# Altium PCB Main_PCB.PcbDoc (part 5 of 13) (continued)
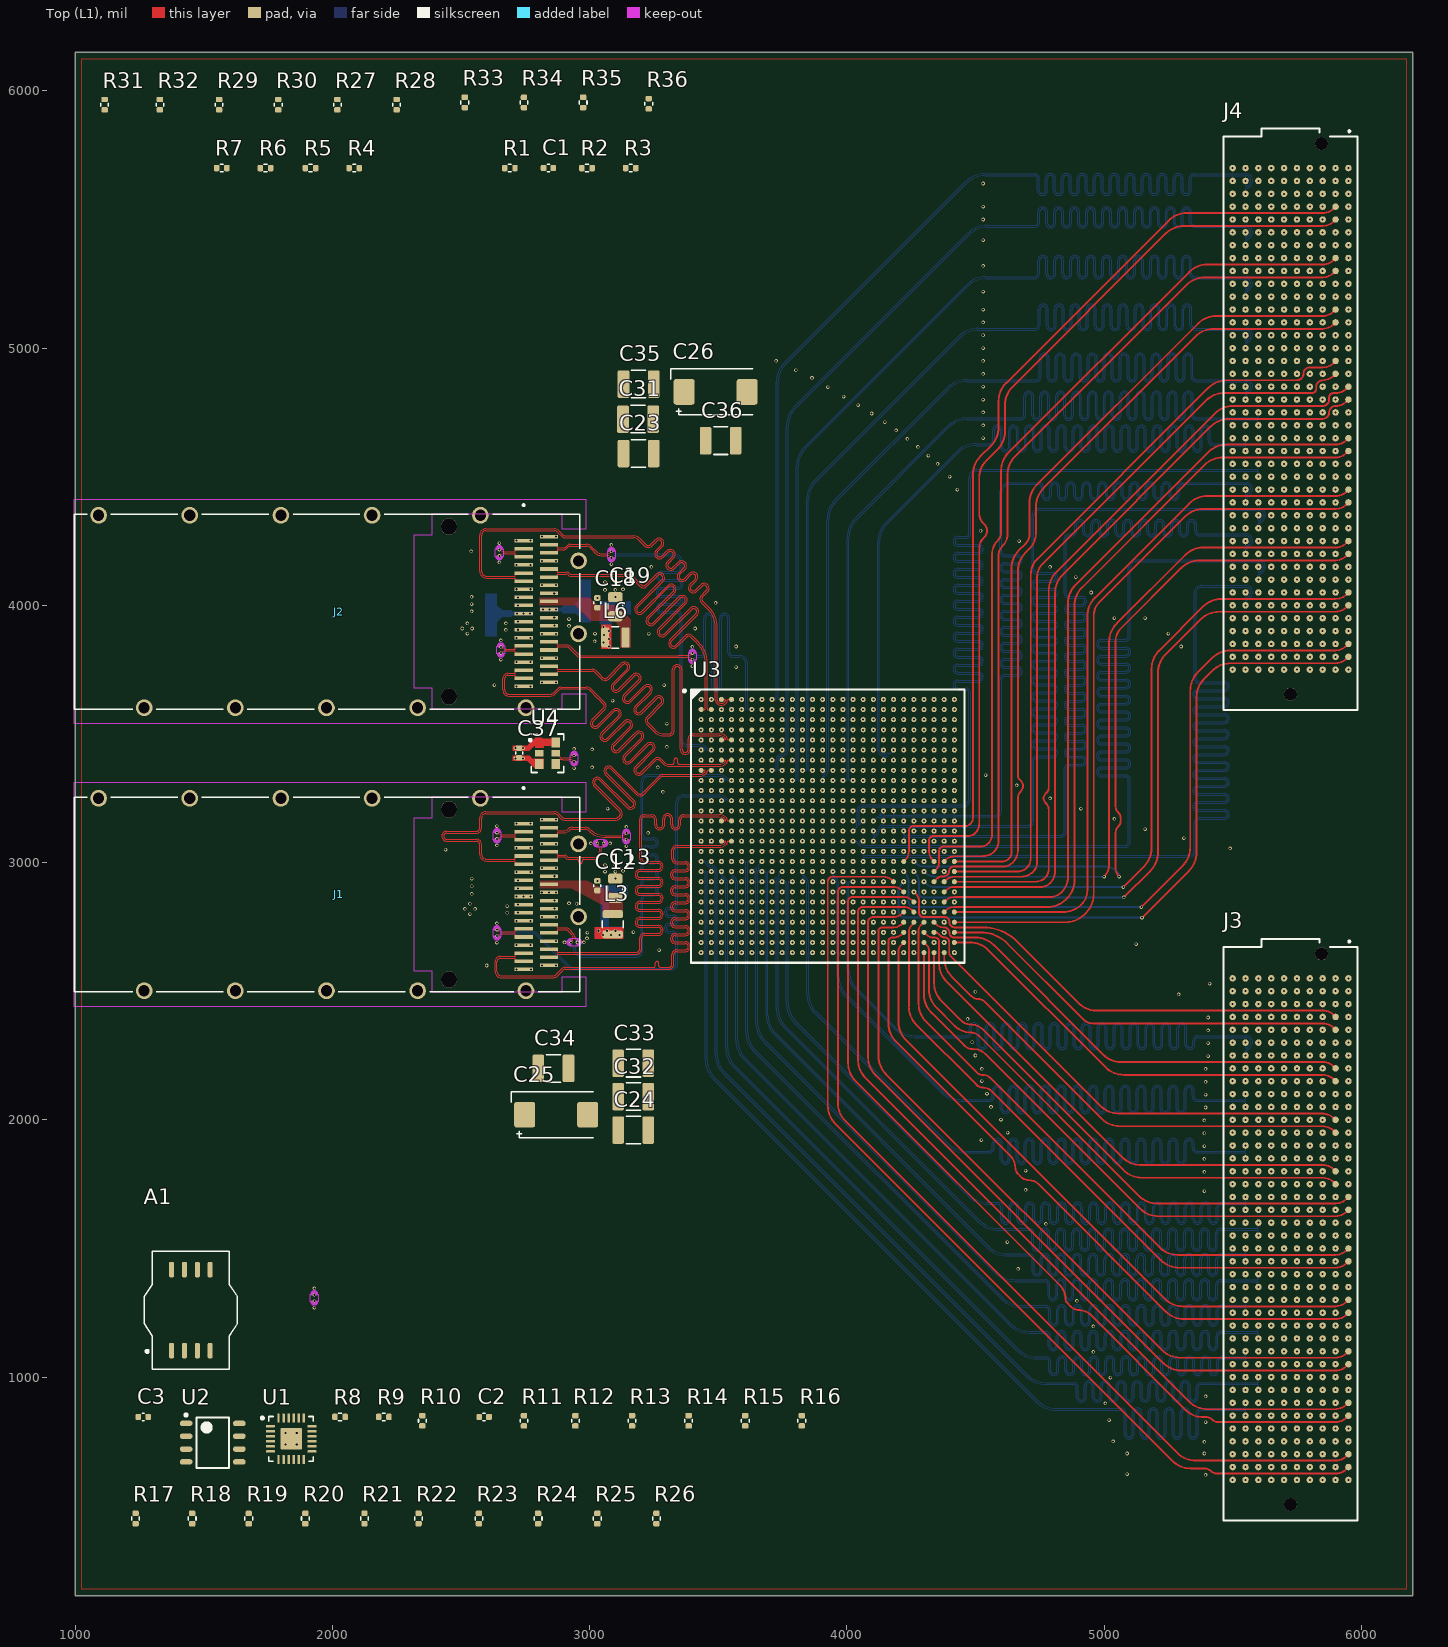
[diagram p0: Top (L1) view]
## Nets (pads, with @x,y where several pads share a name; then routed paths per layer and width w, separated by ;. In a path a pad name is that pad's centre, name@x,y a point inside that pad or via, vN(x,y) a via of type N, cw(c..) or ccw(c..) an arc to the next point about the centre after c; other vN are vias at no path point) (continued)
HPCC_A_47_P: J3.G14 U3.Y15 | length 3515.7
  Int9 (L10) w3.5: v1(3985.04,2886.22) 3997.47,2886.22 cw(c3997.47,2882.72) 3999.95,2885.2 cw(c3997.47,2882.72) 4000.97,2882.72 4000.97,2628.64 4001.2,2622.92 cw(c3997.7,2622.78) 4001.2,2622.78 4001.2,2516.42 ccw(c4110,2516.42) 4033.07,2439.49 4520.69,1951.87 ccw(c4597.62,2028.8) 4597.62,1920 4631.28,1920 4669.73,1920 cw(c4669.73,1908.25) 4681.48,1908.25 4681.48,1876.47 ccw(c4702.03,1876.47) 4722.58,1876.47 4722.58,1909.75 cw(c4734.33,1909.75) 4746.08,1909.75 4746.08,1876.47 ccw(c4766.63,1876.47) 4787.18,1876.47 4787.18,1909.75 cw(c4798.93,1909.75) 4810.68,1909.75 4810.68,1876.47 ccw(c4831.23,1876.47) 4851.78,1876.47 4851.78,1909.75 cw(c4863.53,1909.75) 4875.28,1909.75 4875.28,1876.47 ccw(c4895.83,1876.47) 4916.38,1876.47 4916.38,1909.75 cw(c4928.13,1909.75) 4939.88,1909.75 4939.88,1876.47 ccw(c4960.43,1876.47) 4980.98,1876.47 4980.98,1909.75 cw(c4992.73,1909.75) 5004.48,1909.75 5004.48,1876.47 ccw(c5025.03,1876.47) 5045.58,1876.47 5045.58,1909.75 cw(c5057.33,1909.75) 5069.08,1909.75 5069.08,1876.47 ccw(c5089.63,1876.47) 5110.18,1876.47 5110.18,1909.75 cw(c5121.93,1909.75) 5133.68,1909.75 5133.68,1876.47 ccw(c5154.23,1876.47) 5174.78,1876.47 5174.78,1909.75 cw(c5186.53,1909.75) 5198.28,1909.75 5198.28,1876.47 ccw(c5218.83,1876.47) 5239.38,1876.47 5239.38,1909.75 cw(c5251.13,1909.75) 5262.88,1909.75 5262.88,1876.47 ccw(c5283.43,1876.47) 5303.98,1876.47 5303.98,1909.75 cw(c5315.73,1909.75) 5327.48,1909.75 5327.48,1876.47 ccw(c5348.03,1876.47) 5368.58,1876.47 5368.58,1908.25 cw(c5380.33,1908.25) 5380.33,1920 5410,1920 5652.93,1920 cw(c5652.93,1902.93) 5665,1915 5666.39,1913.61 cw(c5654.78,1902) 5671.2,1902 cw(c5655.87,1902) 5666.71,1891.16 5655.97,1880.43 ; v1(5650,1900) 5650,1882.9 ccw(c5653.5,1882.9) 5651.03,1880.43 ccw(c5653.5,1882.9) 5653.5,1879.4 ccw(c5653.5,1882.9) 5655.97,1880.42
HPCC_A_48_N: J3.G19 U3.AA12 | length 3519.8
  Int9 (L10) w3.5: v1(3866.93,2846.85) 3879.36,2846.85 cw(c3879.36,2843.35) 3881.84,2845.83 cw(c3879.36,2843.35) 3882.86,2843.35 3882.86,2509.76 ccw(c3991.66,2509.76) 3914.73,2432.82 4645.09,1702.47 ccw(c4722.02,1779.4) 4722.02,1670.6 4760.47,1670.6 4798.92,1670.6 cw(c4798.92,1658.85) 4810.67,1658.85 4810.67,1621.91 ccw(c4831.22,1621.91) 4851.77,1621.91 4851.77,1660.15 cw(c4863.52,1660.15) 4875.27,1660.15 4875.27,1621.91 ccw(c4895.82,1621.91) 4916.37,1621.91 4916.37,1660.15 cw(c4928.12,1660.15) 4939.87,1660.15 4939.87,1621.91 ccw(c4960.42,1621.91) 4980.97,1621.91 4980.97,1660.15 cw(c4992.72,1660.15) 5004.47,1660.15 5004.47,1621.91 ccw(c5025.02,1621.91) 5045.57,1621.91 5045.57,1660.15 cw(c5057.32,1660.15) 5069.07,1660.15 5069.07,1621.91 ccw(c5089.62,1621.91) 5110.17,1621.91 5110.17,1660.15 cw(c5121.92,1660.15) 5133.67,1660.15 5133.67,1621.91 ccw(c5154.22,1621.91) 5174.77,1621.91 5174.77,1660.15 cw(c5186.52,1660.15) 5198.27,1660.15 5198.27,1621.91 ccw(c5218.82,1621.91) 5239.37,1621.91 5239.37,1660.15 cw(c5251.12,1660.15) 5262.87,1660.15 5262.87,1621.91 ccw(c5283.42,1621.91) 5303.97,1621.91 5303.97,1660.15 cw(c5315.72,1660.15) 5327.47,1660.15 5327.47,1621.91 ccw(c5348.02,1621.91) 5368.57,1621.91 5368.57,1658.85 cw(c5380.32,1658.85) 5380.32,1670.6 5422,1670.6 5646.5,1670.6 cw(c5646.5,1667.1) 5648.97,1669.57 cw(c5646.5,1667.1) 5650,1667.1 v1(5650,1650)
HPCC_A_48_P: J3.G18 U3.AA13 | length 3506.4
  Int9 (L10) w3.5: v1(3906.3,2846.85) 3893.86,2846.85 ccw(c3893.86,2843.35) 3891.39,2845.83 ccw(c3893.86,2843.35) 3890.36,2843.35 3890.36,2625 cw(c3887.23,2621.86) 3891.66,2621.86 3891.66,2509.76 ccw(c3991.66,2509.76) 3920.95,2439.05 4651.31,1708.69 ccw(c4722.02,1779.4) 4722.02,1679.4 4760.47,1679.4 4798.92,1679.4 cw(c4798.92,1658.85) 4819.47,1658.85 4819.47,1621.91 ccw(c4831.22,1621.91) 4842.97,1621.91 4842.97,1660.15 cw(c4863.52,1660.15) 4884.07,1660.15 4884.07,1621.91 ccw(c4895.82,1621.91) 4907.57,1621.91 4907.57,1660.15 cw(c4928.12,1660.15) 4948.67,1660.15 4948.67,1621.91 ccw(c4960.42,1621.91) 4972.17,1621.91 4972.17,1660.15 cw(c4992.72,1660.15) 5013.27,1660.15 5013.27,1621.91 ccw(c5025.02,1621.91) 5036.77,1621.91 5036.77,1660.15 cw(c5057.32,1660.15) 5077.87,1660.15 5077.87,1621.91 ccw(c5089.62,1621.91) 5101.37,1621.91 5101.37,1660.15 cw(c5121.92,1660.15) 5142.47,1660.15 5142.47,1621.91 ccw(c5154.22,1621.91) 5165.97,1621.91 5165.97,1660.15 cw(c5186.52,1660.15) 5207.07,1660.15 5207.07,1621.91 ccw(c5218.82,1621.91) 5230.57,1621.91 5230.57,1660.15 cw(c5251.12,1660.15) 5271.67,1660.15 5271.67,1621.91 ccw(c5283.42,1621.91) 5295.17,1621.91 5295.17,1660.15 cw(c5315.72,1660.15) 5336.27,1660.15 5336.27,1621.91 ccw(c5348.02,1621.91) 5359.77,1621.91 5359.77,1658.85 cw(c5380.32,1658.85) 5380.32,1679.4 5422,1679.4 5646.5,1679.4 ccw(c5646.5,1682.9) 5648.97,1680.43 ccw(c5646.5,1682.9) 5650,1682.9 v1(5650,1700)
HPCC_A_49_N: J3.G23 U3.Y10 | length 3530.6
  Int9 (L10) w3.5: v1(3788.19,2886.22) 3800.62,2886.22 cw(c3800.62,2882.72) 3803.1,2885.2 cw(c3800.62,2882.72) 3804.12,2882.72 3804.12,2468.5 ccw(c3912.92,2468.5) 3835.99,2391.56 4725.09,1502.47 ccw(c4802.02,1579.4) 4802.02,1470.6 4889.78,1470.6 4928.23,1470.6 cw(c4928.23,1458.85) 4939.98,1458.85 4939.98,1420.43 ccw(c4960.53,1420.43) 4981.08,1420.43 4981.08,1459.44 cw(c4992.83,1459.44) 5004.58,1459.44 5004.58,1420.43 ccw(c5025.13,1420.43) 5045.68,1420.43 5045.68,1459.44 cw(c5057.43,1459.44) 5069.18,1459.44 5069.18,1420.43 ccw(c5089.73,1420.43) 5110.28,1420.43 5110.28,1459.44 cw(c5122.03,1459.44) 5133.78,1459.44 5133.78,1420.43 ccw(c5154.33,1420.43) 5174.88,1420.43 5174.88,1459.44 cw(c5186.63,1459.44) 5198.38,1459.44 5198.38,1420.43 ccw(c5218.93,1420.43) 5239.48,1420.43 5239.48,1459.44 cw(c5251.23,1459.44) 5262.98,1459.44 5262.98,1420.43 ccw(c5283.53,1420.43) 5304.08,1420.43 5304.08,1459.44 cw(c5315.83,1459.44) 5327.58,1459.44 5327.58,1420.43 ccw(c5348.13,1420.43) 5368.68,1420.43 5368.68,1458.85 cw(c5380.43,1458.85) 5380.43,1470.6 5418,1470.6 5646.5,1470.6 cw(c5646.5,1467.1) 5648.97,1469.57 cw(c5646.5,1467.1) 5650,1467.1 v1(5650,1450)
HPCC_A_49_P: J3.G22 U3.Y11 | length 3517.1
  Int9 (L10) w3.5: v1(3827.56,2886.22) 3815.12,2886.22 ccw(c3815.12,2882.72) 3812.65,2885.2 ccw(c3815.12,2882.72) 3811.62,2882.72 3811.62,2625 cw(c3808.49,2621.86) 3812.92,2621.86 3812.92,2468.5 ccw(c3912.92,2468.5) 3842.21,2397.79 4731.31,1508.69 ccw(c4802.02,1579.4) 4802.02,1479.4 4889.78,1479.4 4928.23,1479.4 cw(c4928.23,1458.85) 4948.78,1458.85 4948.78,1420.43 ccw(c4960.53,1420.43) 4972.28,1420.43 4972.28,1459.44 cw(c4992.83,1459.44) 5013.38,1459.44 5013.38,1420.43 ccw(c5025.13,1420.43) 5036.88,1420.43 5036.88,1459.44 cw(c5057.43,1459.44) 5077.98,1459.44 5077.98,1420.43 ccw(c5089.73,1420.43) 5101.48,1420.43 5101.48,1459.44 cw(c5122.03,1459.44) 5142.58,1459.44 5142.58,1420.43 ccw(c5154.33,1420.43) 5166.08,1420.43 5166.08,1459.44 cw(c5186.63,1459.44) 5207.18,1459.44 5207.18,1420.43 ccw(c5218.93,1420.43) 5230.68,1420.43 5230.68,1459.44 cw(c5251.23,1459.44) 5271.78,1459.44 5271.78,1420.43 ccw(c5283.53,1420.43) 5295.28,1420.43 5295.28,1459.44 cw(c5315.83,1459.44) 5336.38,1459.44 5336.38,1420.43 ccw(c5348.13,1420.43) 5359.88,1420.43 5359.88,1458.85 cw(c5380.43,1458.85) 5380.43,1479.4 5418,1479.4 5646.5,1479.4 ccw(c5646.5,1482.9) 5648.97,1480.43 ccw(c5646.5,1482.9) 5650,1482.9 v1(5650,1500)
HPCC_A_50_N: J3.G27 U3.Y7 | length 3527.8
  Int9 (L10) w3.5: v1(3670.08,2886.22) 3682.51,2886.22 cw(c3682.51,2882.72) 3686.01,2882.72 ccw(c3697.01,2882.72) 3688.01,2876.4 3690.48,2872.89 ccw(c3709.45,2886.22) 3705.78,2863.33 3711.93,2862.34 cw(c3709.45,2846.85) 3725.14,2846.98 3725.5,2809.23 3725.5,2625 3725.5,2432.13 ccw(c3834.3,2432.13) 3757.36,2355.19 4810.09,1302.47 ccw(c4887.02,1379.4) 4887.02,1270.6 5018,1270.6 5056.45,1270.6 cw(c5056.45,1258.85) 5068.2,1258.85 5068.2,1218.75 ccw(c5088.75,1218.75) 5109.3,1218.75 5109.3,1260.12 cw(c5121.05,1260.12) 5132.8,1260.12 5132.8,1218.75 ccw(c5153.35,1218.75) 5173.9,1218.75 5173.9,1260.12 cw(c5185.65,1260.12) 5197.4,1260.12 5197.4,1218.75 ccw(c5217.95,1218.75) 5238.5,1218.75 5238.5,1260.12 cw(c5250.25,1260.12) 5262,1260.12 5262,1218.75 ccw(c5282.55,1218.75) 5303.1,1218.75 5303.1,1260.12 cw(c5314.85,1260.12) 5326.6,1260.12 5326.6,1218.75 ccw(c5347.15,1218.75) 5367.7,1218.75 5367.7,1258.85 cw(c5379.45,1258.85) 5379.45,1270.6 5402,1270.6 5646.5,1270.6 cw(c5646.5,1267.1) 5648.97,1269.57 cw(c5646.5,1267.1) 5650,1267.1 v1(5650,1250)
HPCC_A_50_P: J3.G26 U3.Y8 | length 3514.4
  Int9 (L10) w3.5: v1(3709.45,2886.22) 3697.01,2886.22 ccw(c3697.01,2882.72) 3694.15,2880.71 3696.61,2877.2 ccw(c3709.45,2886.22) 3706.97,2870.73 3713.12,2869.75 cw(c3709.45,2846.85) 3732.64,2847.04 3733,2809.31 3733,2625 cw(c3729.86,2621.86) 3734.3,2621.86 3734.3,2432.13 ccw(c3834.3,2432.13) 3763.59,2361.41 4816.31,1308.69 ccw(c4887.02,1379.4) 4887.02,1279.4 5018,1279.4 5056.45,1279.4 cw(c5056.45,1258.85) 5077,1258.85 5077,1218.75 ccw(c5088.75,1218.75) 5100.5,1218.75 5100.5,1260.12 cw(c5121.05,1260.12) 5141.6,1260.12 5141.6,1218.75 ccw(c5153.35,1218.75) 5165.1,1218.75 5165.1,1260.12 cw(c5185.65,1260.12) 5206.2,1260.12 5206.2,1218.75 ccw(c5217.95,1218.75) 5229.7,1218.75 5229.7,1260.12 cw(c5250.25,1260.12) 5270.8,1260.12 5270.8,1218.75 ccw(c5282.55,1218.75) 5294.3,1218.75 5294.3,1260.12 cw(c5314.85,1260.12) 5335.4,1260.12 5335.4,1218.75 ccw(c5347.15,1218.75) 5358.9,1218.75 5358.9,1258.85 cw(c5379.45,1258.85) 5379.45,1279.4 5402,1279.4 5646.5,1279.4 ccw(c5646.5,1282.9) 5648.97,1280.43 ccw(c5646.5,1282.9) 5650,1282.9 v1(5650,1300)
HPCC_A_51_N: J3.G31 U3.W5 | length 3528.9
  Int9 (L10) w3.5: v1(3591.34,2925.59) 3603.77,2925.59 cw(c3603.77,2922.09) 3607.27,2922.09 ccw(c3618.27,2922.09) 3609.27,2915.77 3611.74,2912.26 ccw(c3630.71,2925.59) 3627.04,2902.7 3633.19,2901.71 cw(c3630.71,2886.22) 3646.4,2886.22 3646.4,2376.23 ccw(c3755.2,2376.23) 3678.26,2299.29 4875.09,1102.47 ccw(c4952.02,1179.4) 4952.02,1070.6 5082.07,1070.6 5120.52,1070.6 cw(c5120.52,1058.85) 5132.27,1058.85 5132.27,1034.23 ccw(c5152.82,1034.23) 5173.37,1034.23 5173.37,1061.86 cw(c5185.12,1061.86) 5196.87,1061.86 5196.87,1034.23 ccw(c5217.42,1034.23) 5237.97,1034.23 5237.97,1061.86 cw(c5249.72,1061.86) 5261.47,1061.86 5261.47,1034.23 ccw(c5282.02,1034.23) 5302.57,1034.23 5302.57,1061.86 cw(c5314.32,1061.86) 5326.07,1061.86 5326.07,1034.23 ccw(c5346.62,1034.23) 5367.17,1034.23 5367.17,1058.85 cw(c5378.92,1058.85) 5378.92,1070.6 5435.17,1070.6 5646.5,1070.6 cw(c5646.5,1067.1) 5648.97,1069.57 cw(c5646.5,1067.1) 5650,1067.1 v1(5650,1050)
HPCC_A_51_P: J3.G30 U3.W6 | length 3515.4
  Int9 (L10) w3.5: v1(3630.71,2925.59) 3618.27,2925.59 ccw(c3618.27,2922.09) 3615.41,2920.08 3617.87,2916.57 ccw(c3630.71,2925.59) 3628.23,2910.1 3634.38,2909.12 cw(c3630.71,2886.22) 3653.9,2886.22 3653.9,2625 cw(c3650.76,2621.86) 3655.2,2621.86 3655.2,2376.23 ccw(c3755.2,2376.23) 3684.49,2305.52 4881.31,1108.69 ccw(c4952.02,1179.4) 4952.02,1079.4 5082.07,1079.4 5120.52,1079.4 cw(c5120.52,1058.85) 5141.07,1058.85 5141.07,1034.23 ccw(c5152.82,1034.23) 5164.57,1034.23 5164.57,1061.86 cw(c5185.12,1061.86) 5205.67,1061.86 5205.67,1034.23 ccw(c5217.42,1034.23) 5229.17,1034.23 5229.17,1061.86 cw(c5249.72,1061.86) 5270.27,1061.86 5270.27,1034.23 ccw(c5282.02,1034.23) 5293.77,1034.23 5293.77,1061.86 cw(c5314.32,1061.86) 5334.87,1061.86 5334.87,1034.23 ccw(c5346.62,1034.23) 5358.37,1034.23 5358.37,1058.85 cw(c5378.92,1058.85) 5378.92,1079.4 5435.17,1079.4 5646.5,1079.4 ccw(c5646.5,1082.9) 5648.97,1080.43 ccw(c5646.5,1082.9) 5650,1082.9 v1(5650,1100)
HPCC_A_52_N: J3.G35 U3.AB4 | length 3522.5
  Int9 (L10) w3.5: v1(3551.97,2807.48) 3551.97,2819.92 cw(c3555.47,2819.92) 3552.99,2822.39 cw(c3555.47,2819.92) 3555.47,2823.42 cw(c3555.47,2819.92) 3557.94,2822.39 cw(c3533.66,2798.11) 3568,2798.11 3568,2309.62 ccw(c3676.8,2309.62) 3599.87,2232.69 4930.09,902.47 ccw(c5007.02,979.4) 5007.02,870.6 5146,870.6 5184.45,870.6 cw(c5184.45,858.85) 5196.2,858.85 5196.2,832.94 ccw(c5216.75,832.94) 5237.3,832.94 5237.3,860.37 cw(c5249.05,860.37) 5260.8,860.37 5260.8,832.94 ccw(c5281.35,832.94) 5301.9,832.94 5301.9,860.37 cw(c5313.65,860.37) 5325.4,860.37 5325.4,832.94 ccw(c5345.95,832.94) 5366.5,832.94 5366.5,858.85 cw(c5378.25,858.85) 5378.25,870.6 5408.95,870.6 5646.5,870.6 cw(c5646.5,867.1) 5648.97,869.57 cw(c5646.5,867.1) 5650,867.1 v1(5650,850)
HPCC_A_52_P: J3.G34 U3.AA4 | length 3520.8
  Int9 (L10) w3.5: v1(3551.97,2846.85) 3551.97,2834.42 ccw(c3555.47,2834.42) 3552.99,2831.94 ccw(c3555.47,2834.42) 3555.47,2830.92 3555.52,2830.92 cw(c3555.52,2820.04) 3563.21,2827.73 3563.33,2827.61 cw(c3533.94,2798.22) 3575.5,2798.22 3575.5,2627 cw(c3572.36,2623.86) 3576.8,2623.86 3576.8,2309.62 ccw(c3676.8,2309.62) 3606.09,2238.91 4936.31,908.69 ccw(c5007.02,979.4) 5007.02,879.4 5146,879.4 5184.45,879.4 cw(c5184.45,858.85) 5205,858.85 5205,832.94 ccw(c5216.75,832.94) 5228.5,832.94 5228.5,860.37 cw(c5249.05,860.37) 5269.6,860.37 5269.6,832.94 ccw(c5281.35,832.94) 5293.1,832.94 5293.1,860.37 cw(c5313.65,860.37) 5334.2,860.37 5334.2,832.94 ccw(c5345.95,832.94) 5357.7,832.94 5357.7,858.85 cw(c5378.25,858.85) 5378.25,879.4 5408.95,879.4 5646.5,879.4 ccw(c5646.5,882.9) 5648.97,880.43 ccw(c5646.5,882.9) 5650,882.9 v1(5650,900)
HPCC_A_53_N: J3.G39 U3.AC1 | length 3575.5
  Int7 (L8) w3.5: v1(3433.86,2768.11) 3433.86,2780.55 cw(c3437.36,2780.55) 3434.88,2783.02 cw(c3437.36,2780.55) 3437.36,2784.05 cw(c3437.36,2780.55) 3439.83,2783.02 cw(c3415.29,2758.48) 3450,2758.48 3450,2232.62 ccw(c3558.8,2232.62) 3481.87,2155.69 4935.09,702.47 ccw(c5012.02,779.4) 5012.02,670.6 5210,670.6 5248.45,670.6 cw(c5248.45,658.85) 5260.2,658.85 5260.2,647.89 ccw(c5280.75,647.89) 5301.3,647.89 5301.3,659.3 cw(c5313.05,659.3) 5324.8,659.3 5324.8,647.89 ccw(c5345.35,647.89) 5365.9,647.89 5365.9,658.85 cw(c5377.65,658.85) 5377.65,670.6 5418,670.6 5646.5,670.6 cw(c5646.5,667.1) 5648.97,669.57 cw(c5646.5,667.1) 5650,667.1 v1(5650,650)
HPCC_A_53_P: J3.G38 U3.AB1 | length 3573.8
  Int7 (L8) w3.5: v1(3433.86,2807.48) 3433.86,2795.05 ccw(c3437.36,2795.05) 3434.88,2792.57 ccw(c3437.36,2795.05) 3437.36,2791.55 3437.41,2791.55 cw(c3437.41,2780.67) 3445.1,2788.36 3445.16,2788.3 cw(c3415.38,2758.51) 3457.5,2758.51 3457.5,2625 cw(c3454.36,2621.86) 3458.8,2621.86 3458.8,2232.62 ccw(c3558.8,2232.62) 3488.09,2161.91 4941.31,708.69 ccw(c5012.02,779.4) 5012.02,679.4 5210,679.4 5248.45,679.4 cw(c5248.45,658.85) 5269,658.85 5269,647.89 ccw(c5280.75,647.89) 5292.5,647.89 5292.5,659.3 cw(c5313.05,659.3) 5333.6,659.3 5333.6,647.89 ccw(c5345.35,647.89) 5357.1,647.89 5357.1,658.85 cw(c5377.65,658.85) 5377.65,679.4 5418,679.4 5646.5,679.4 ccw(c5646.5,682.9) 5648.97,680.43 ccw(c5646.5,682.9) 5650,682.9 v1(5650,700)
HPCC_A_54_N: J3.H5 U3.W19 | length 3526.7
  Int9 (L10) w3.5: v1(4142.52,2925.59) 4130.08,2925.59 ccw(c4130.08,2922.09) 4127.61,2924.57 ccw(c4130.08,2922.09) 4126.58,2922.09 ccw(c4130.08,2922.09) 4127.61,2919.62 ccw(c4150.82,2942.83) 4150.82,2910 ; 4150.86,2910 4171.21,2909.99 cw(c4171.3,2898.99) 4171.97,2909.97 4183.04,2909.38 cw(c4181.89,2886.22) 4204.81,2889.72 cw(c4181.89,2886.22) 4205.01,2884.47 ccw(c4208.5,2884.2) 4205,2884.2 4205,2848.87 ccw(c4208.5,2848.87) 4205.01,2848.61 cw(c4181.89,2846.85) 4205.08,2846.59 ccw(c4208.57,2846.52) 4205.07,2846.52 4205.07,2843.57 cw(c4197.58,2843.48) 4205.08,2843.48 4205.08,2807.72 cw(c4181.89,2807.48) 4205.08,2807.48 4205.08,2650 cw(c4181.89,2650) 4205.08,2649.76 4205.08,2625 ccw(c4277.68,2625) 4226.34,2573.66 4341.91,2458.09 ccw(c4412.62,2528.8) 4412.62,2428.8 4500,2428.8 4538.45,2428.8 cw(c4538.45,2408.25) 4559,2408.25 4559,2367.86 ccw(c4570.75,2367.86) 4582.5,2367.86 4582.5,2409.23 cw(c4603.05,2409.23) 4623.6,2409.23 4623.6,2367.86 ccw(c4635.35,2367.86) 4647.1,2367.86 4647.1,2409.23 cw(c4667.65,2409.23) 4688.2,2409.23 4688.2,2367.86 ccw(c4699.95,2367.86) 4711.7,2367.86 4711.7,2409.23 cw(c4732.25,2409.23) 4752.8,2409.23 4752.8,2367.86 ccw(c4764.55,2367.86) 4776.3,2367.86 4776.3,2409.23 cw(c4796.85,2409.23) 4817.4,2409.23 4817.4,2367.86 ccw(c4829.15,2367.86) 4840.9,2367.86 4840.9,2409.23 cw(c4861.45,2409.23) 4882,2409.23 4882,2367.86 ccw(c4893.75,2367.86) 4905.5,2367.86 4905.5,2409.23 cw(c4926.05,2409.23) 4946.6,2409.23 4946.6,2367.86 ccw(c4958.35,2367.86) 4970.1,2367.86 4970.1,2409.23 cw(c4990.65,2409.23) 5011.2,2409.23 5011.2,2367.86 ccw(c5022.95,2367.86) 5034.7,2367.86 5034.7,2409.23 cw(c5055.25,2409.23) 5075.8,2409.23 5075.8,2367.86 ccw(c5087.55,2367.86) 5099.3,2367.86 5099.3,2409.23 cw(c5119.85,2409.23) 5140.4,2409.23 5140.4,2367.86 ccw(c5152.15,2367.86) 5163.9,2367.86 5163.9,2409.23 cw(c5184.45,2409.23) 5205,2409.23 5205,2367.86 ccw(c5216.75,2367.86) 5228.5,2367.86 5228.5,2409.23 cw(c5249.05,2409.23) 5269.6,2409.23 5269.6,2367.86 ccw(c5281.35,2367.86) 5293.1,2367.86 5293.1,2409.23 cw(c5313.65,2409.23) 5334.2,2409.23 5334.2,2367.86 ccw(c5345.95,2367.86) 5357.7,2367.86 5357.7,2408.25 cw(c5378.25,2408.25) 5378.25,2428.8 5423,2428.8 5602.93,2428.8 cw(c5602.93,2402.93) 5621.22,2421.22 cw(c5600.51,2400.51) 5629.8,2400.51 5629.8,2400 cw(c5605.66,2400) 5622.73,2382.93 5615.27,2375.47 cw(c5603.5,2387.26) 5603.5,2370.6 ccw(c5603.5,2367.1) 5601.03,2369.57 ccw(c5603.5,2367.1) 5600,2367.1 v1(5600,2350)
HPCC_A_54_P: J3.H4 U3.W18 | length 3513.6
  Int9 (L10) w3.5: v1(4103.15,2925.59) 4115.58,2925.59 cw(c4115.58,2922.09) 4118.06,2924.57 cw(c4115.58,2922.09) 4119.08,2922.09 ; 4119.08,2922.06 ccw(c4130.01,2922.06) 4122.28,2914.34 ; 4122.31,2914.31 ccw(c4150.82,2942.82) 4150.82,2902.5 4171.25,2902.49 cw(c4171.3,2898.99) 4171.53,2902.48 4182.65,2901.89 cw(c4181.89,2886.22) 4197.4,2888.56 cw(c4181.89,2886.22) 4197.53,2885.04 ccw(c4208.5,2884.2) 4197.5,2884.2 4197.5,2848.87 ccw(c4208.5,2848.87) 4197.53,2848.05 cw(c4181.89,2846.85) 4197.58,2846.67 4197.58,2843.48 4197.58,2807.67 cw(c4181.89,2807.48) 4197.58,2807.48 4197.58,2650 cw(c4181.89,2650) 4197.58,2649.81 4197.58,2625 ccw(c4200.71,2621.86) 4196.28,2621.86 ccw(c4270.11,2621.86) 4217.9,2569.65 4335.69,2451.87 ccw(c4412.62,2528.8) 4412.62,2420 4500,2420 4538.45,2420 cw(c4538.45,2408.25) 4550.2,2408.25 4550.2,2367.86 ccw(c4570.75,2367.86) 4591.3,2367.86 4591.3,2409.23 cw(c4603.05,2409.23) 4614.8,2409.23 4614.8,2367.86 ccw(c4635.35,2367.86) 4655.9,2367.86 4655.9,2409.23 cw(c4667.65,2409.23) 4679.4,2409.23 4679.4,2367.86 ccw(c4699.95,2367.86) 4720.5,2367.86 4720.5,2409.23 cw(c4732.25,2409.23) 4744,2409.23 4744,2367.86 ccw(c4764.55,2367.86) 4785.1,2367.86 4785.1,2409.23 cw(c4796.85,2409.23) 4808.6,2409.23 4808.6,2367.86 ccw(c4829.15,2367.86) 4849.7,2367.86 4849.7,2409.23 cw(c4861.45,2409.23) 4873.2,2409.23 4873.2,2367.86 ccw(c4893.75,2367.86) 4914.3,2367.86 4914.3,2409.23 cw(c4926.05,2409.23) 4937.8,2409.23 4937.8,2367.86 ccw(c4958.35,2367.86) 4978.9,2367.86 4978.9,2409.23 cw(c4990.65,2409.23) 5002.4,2409.23 5002.4,2367.86 ccw(c5022.95,2367.86) 5043.5,2367.86 5043.5,2409.23 cw(c5055.25,2409.23) 5067,2409.23 5067,2367.86 ccw(c5087.55,2367.86) 5108.1,2367.86 5108.1,2409.23 cw(c5119.85,2409.23) 5131.6,2409.23 5131.6,2367.86 ccw(c5152.15,2367.86) 5172.7,2367.86 5172.7,2409.23 cw(c5184.45,2409.23) 5196.2,2409.23 5196.2,2367.86 ccw(c5216.75,2367.86) 5237.3,2367.86 5237.3,2409.23 cw(c5249.05,2409.23) 5260.8,2409.23 5260.8,2367.86 ccw(c5281.35,2367.86) 5301.9,2367.86 5301.9,2409.23 cw(c5313.65,2409.23) 5325.4,2409.23 5325.4,2367.86 ccw(c5345.95,2367.86) 5366.5,2367.86 5366.5,2408.25 cw(c5378.25,2408.25) 5378.25,2420 5423,2420 5602.93,2420 cw(c5602.93,2402.93) 5615,2415 cw(c5600.51,2400.51) 5621,2400.51 5621,2400 cw(c5605.66,2400) 5616.51,2389.15 5609.06,2381.7 cw(c5603.5,2387.26) 5603.5,2379.4 cw(c5603.5,2382.9) 5601.03,2380.43 cw(c5603.5,2382.9) 5600,2382.9 v1(5600,2400)
HPCC_A_55_N: J3.H9 U3.Y18 | length 3528.5
  Int9 (L10) w3.5: v1(4103.15,2886.22) 4090.71,2886.22 ccw(c4090.71,2882.72) 4087.85,2880.71 4090.31,2877.2 ccw(c4103.15,2886.22) 4100.67,2870.73 4106.82,2869.75 cw(c4103.15,2846.85) 4126.34,2846.85 4126.34,2580.08 ccw(c4226.34,2580.08) 4155.63,2509.37 4406.91,2258.09 ccw(c4477.62,2328.8) 4477.62,2228.8 4500,2228.8 4538.45,2228.8 cw(c4538.45,2208.25) 4559,2208.25 4559,2172.6 ccw(c4570.75,2172.6) 4582.5,2172.6 4582.5,2209.63 cw(c4603.05,2209.63) 4623.6,2209.63 4623.6,2172.6 ccw(c4635.35,2172.6) 4647.1,2172.6 4647.1,2209.63 cw(c4667.65,2209.63) 4688.2,2209.63 4688.2,2172.6 ccw(c4699.95,2172.6) 4711.7,2172.6 4711.7,2209.63 cw(c4732.25,2209.63) 4752.8,2209.63 4752.8,2172.6 ccw(c4764.55,2172.6) 4776.3,2172.6 4776.3,2209.63 cw(c4796.85,2209.63) 4817.4,2209.63 4817.4,2172.6 ccw(c4829.15,2172.6) 4840.9,2172.6 4840.9,2209.63 cw(c4861.45,2209.63) 4882,2209.63 4882,2172.6 ccw(c4893.75,2172.6) 4905.5,2172.6 4905.5,2209.63 cw(c4926.05,2209.63) 4946.6,2209.63 4946.6,2172.6 ccw(c4958.35,2172.6) 4970.1,2172.6 4970.1,2209.63 cw(c4990.65,2209.63) 5011.2,2209.63 5011.2,2172.6 ccw(c5022.95,2172.6) 5034.7,2172.6 5034.7,2209.63 cw(c5055.25,2209.63) 5075.8,2209.63 5075.8,2172.6 ccw(c5087.55,2172.6) 5099.3,2172.6 5099.3,2209.63 cw(c5119.85,2209.63) 5140.4,2209.63 5140.4,2172.6 ccw(c5152.15,2172.6) 5163.9,2172.6 5163.9,2209.63 cw(c5184.45,2209.63) 5205,2209.63 5205,2172.6 ccw(c5216.75,2172.6) 5228.5,2172.6 5228.5,2209.63 cw(c5249.05,2209.63) 5269.6,2209.63 5269.6,2172.6 ccw(c5281.35,2172.6) 5293.1,2172.6 5293.1,2209.63 cw(c5313.65,2209.63) 5334.2,2209.63 5334.2,2172.6 ccw(c5345.95,2172.6) 5357.7,2172.6 5357.7,2208.25 cw(c5378.25,2208.25) 5378.25,2228.8 5409,2228.8 5602.93,2228.8 cw(c5602.93,2202.93) 5621.22,2221.22 cw(c5600.51,2200.51) 5629.8,2200.51 5629.8,2200 cw(c5608.07,2200) 5623.44,2184.64 5613.56,2174.76 cw(c5603.5,2184.84) 5603.5,2170.6 ccw(c5603.5,2167.1) 5601.03,2169.57 ccw(c5603.5,2167.1) 5600,2167.1 v1(5600,2150)
HPCC_A_55_P: J3.H8 U3.Y17 | length 3514.9
  Int9 (L10) w3.5: v1(4063.78,2886.22) 4076.21,2886.22 cw(c4076.21,2882.72) 4079.71,2882.72 ccw(c4090.71,2882.72) 4081.71,2876.4 4084.18,2872.89 ccw(c4103.15,2886.22) 4099.48,2863.33 4105.63,2862.34 cw(c4103.15,2846.85) 4118.84,2846.85 4118.84,2625 ccw(c4121.98,2621.86) 4117.54,2621.86 4117.54,2580.08 ccw(c4226.34,2580.08) 4149.4,2503.15 4168.7,2483.86 ; 4168.78,2483.78 4400.69,2251.87 ccw(c4477.62,2328.8) 4477.62,2220 4500,2220 4538.45,2220 cw(c4538.45,2208.25) 4550.2,2208.25 4550.2,2172.6 ccw(c4570.75,2172.6) 4591.3,2172.6 4591.3,2209.63 cw(c4603.05,2209.63) 4614.8,2209.63 4614.8,2172.6 ccw(c4635.35,2172.6) 4655.9,2172.6 4655.9,2209.63 cw(c4667.65,2209.63) 4679.4,2209.63 4679.4,2172.6 ccw(c4699.95,2172.6) 4720.5,2172.6 4720.5,2209.63 cw(c4732.25,2209.63) 4744,2209.63 4744,2172.6 ccw(c4764.55,2172.6) 4785.1,2172.6 4785.1,2209.63 cw(c4796.85,2209.63) 4808.6,2209.63 4808.6,2172.6 ccw(c4829.15,2172.6) 4849.7,2172.6 4849.7,2209.63 cw(c4861.45,2209.63) 4873.2,2209.63 4873.2,2172.6 ccw(c4893.75,2172.6) 4914.3,2172.6 4914.3,2209.63 cw(c4926.05,2209.63) 4937.8,2209.63 4937.8,2172.6 ccw(c4958.35,2172.6) 4978.9,2172.6 4978.9,2209.63 cw(c4990.65,2209.63) 5002.4,2209.63 5002.4,2172.6 ccw(c5022.95,2172.6) 5043.5,2172.6 5043.5,2209.63 cw(c5055.25,2209.63) 5067,2209.63 5067,2172.6 ccw(c5087.55,2172.6) 5108.1,2172.6 5108.1,2209.63 cw(c5119.85,2209.63) 5131.6,2209.63 5131.6,2172.6 ccw(c5152.15,2172.6) 5172.7,2172.6 5172.7,2209.63 cw(c5184.45,2209.63) 5196.2,2209.63 5196.2,2172.6 ccw(c5216.75,2172.6) 5237.3,2172.6 5237.3,2209.63 cw(c5249.05,2209.63) 5260.8,2209.63 5260.8,2172.6 ccw(c5281.35,2172.6) 5301.9,2172.6 5301.9,2209.63 cw(c5313.65,2209.63) 5325.4,2209.63 5325.4,2172.6 ccw(c5345.95,2172.6) 5366.5,2172.6 5366.5,2208.25 cw(c5378.25,2208.25) 5378.25,2220 5409,2220 5602.93,2220 cw(c5602.93,2202.93) 5615,2215 cw(c5600.51,2200.51) 5621,2200.51 5621,2200 cw(c5608.07,2200) 5617.21,2190.86 5607.34,2180.99 cw(c5603.5,2184.84) 5603.5,2179.4 cw(c5603.5,2182.9) 5601.03,2180.43 cw(c5603.5,2182.9) 5600,2182.9 v1(5600,2200)
HPCC_A_56_N: J3.H13 U3.V17 | length 3527.6
  Int9 (L10) w3.5: v1(4063.78,2964.96) 4051.34,2964.96 ccw(c4051.34,2961.46) 4048.87,2963.94 ccw(c4051.34,2961.46) 4047.84,2961.46 4047.84,2625 cw(c4045.06,2622.21) 4049,2622.21 4049,2542.42 ccw(c4149,2542.42) 4078.29,2471.71 4491.91,2058.09 ccw(c4562.62,2128.8) 4562.62,2028.8 4629,2028.8 4667.45,2028.8 cw(c4667.45,2008.25) 4688,2008.25 4688,1973.62 ccw(c4699.75,1973.62) 4711.5,1973.62 4711.5,2009.89 cw(c4732.05,2009.89) 4752.6,2009.89 4752.6,1973.62 ccw(c4764.35,1973.62) 4776.1,1973.62 4776.1,2009.89 cw(c4796.65,2009.89) 4817.2,2009.89 4817.2,1973.62 ccw(c4828.95,1973.62) 4840.7,1973.62 4840.7,2009.89 cw(c4861.25,2009.89) 4881.8,2009.89 4881.8,1973.62 ccw(c4893.55,1973.62) 4905.3,1973.62 4905.3,2009.89 cw(c4925.85,2009.89) 4946.4,2009.89 4946.4,1973.62 ccw(c4958.15,1973.62) 4969.9,1973.62 4969.9,2009.89 cw(c4990.45,2009.89) 5011,2009.89 5011,1973.62 ccw(c5022.75,1973.62) 5034.5,1973.62 5034.5,2009.89 cw(c5055.05,2009.89) 5075.6,2009.89 5075.6,1973.62 ccw(c5087.35,1973.62) 5099.1,1973.62 5099.1,2009.89 cw(c5119.65,2009.89) 5140.2,2009.89 5140.2,1973.62 ccw(c5151.95,1973.62) 5163.7,1973.62 5163.7,2009.89 cw(c5184.25,2009.89) 5204.8,2009.89 5204.8,1973.62 ccw(c5216.55,1973.62) 5228.3,1973.62 5228.3,2009.89 cw(c5248.85,2009.89) 5269.4,2009.89 5269.4,1973.62 ccw(c5281.15,1973.62) 5292.9,1973.62 5292.9,2009.89 cw(c5313.45,2009.89) 5334,2009.89 5334,1973.62 ccw(c5345.75,1973.62) 5357.5,1973.62 5357.5,2008.25 cw(c5378.05,2008.25) 5378.05,2028.8 5417.74,2028.8 5602.93,2028.8 cw(c5602.93,2002.93) 5621.22,2021.22 cw(c5602.45,2002.45) 5629,2002.45 5629,1999 cw(c5609.7,1999) 5623.35,1985.35 5612.2,1974.2 cw(c5603.5,1982.9) 5603.5,1970.6 ccw(c5603.5,1967.1) 5601.03,1969.57 ccw(c5603.5,1967.1) 5600,1967.1 v1(5600,1950)